# Altium PCB PCB1.PcbDoc (part 4 of 8) (continued)
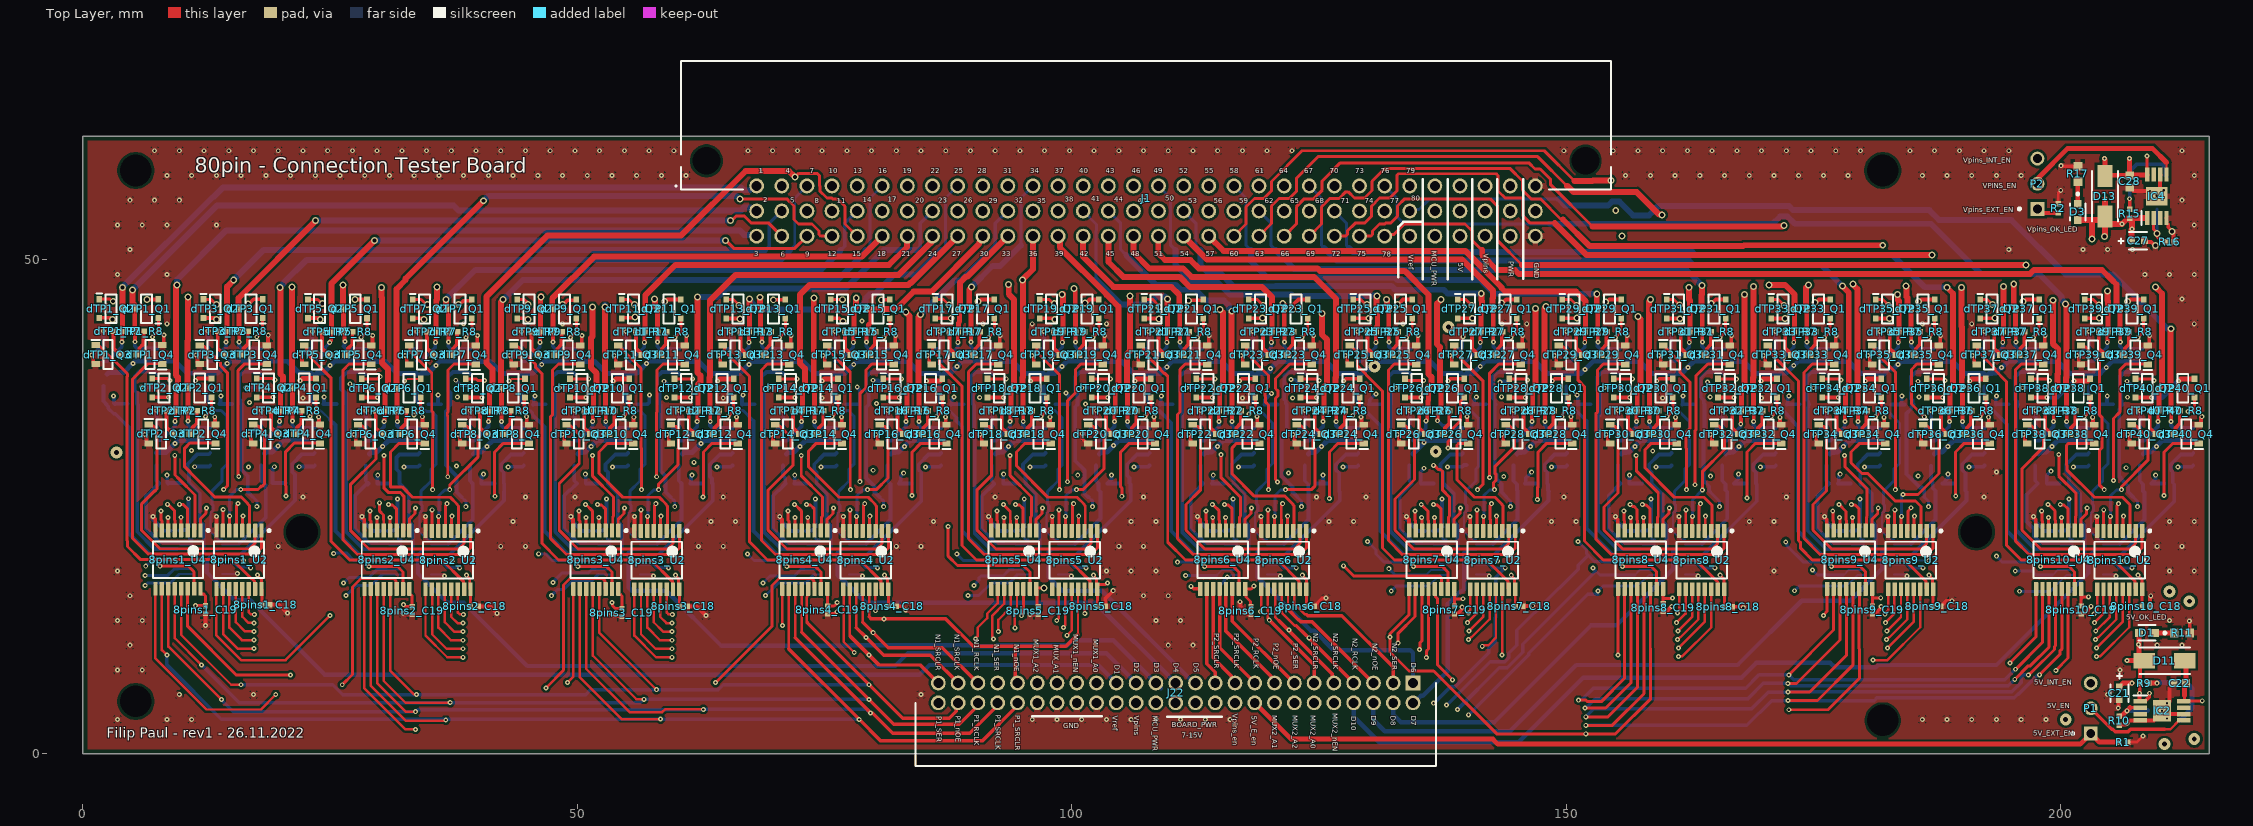
[diagram p0: Top Layer view]
## Nets (pads, with @x,y where several pads share a name; then routed paths per layer and width w, separated by ;. In a path a pad name is that pad's centre, name@x,y a point inside that pad or via, vN(x,y) a via of type N, cw(c..) or ccw(c..) an arc to the next point about the centre after c; other vN are vias at no path point) (continued)
  Layer 2 w0.3: v1(122.334,36.002) 123.269,36.937 v1(123.269,42.127)
  Layer 3 w0.3: v1(114.206,25.229) 115.651,26.674 118.035,26.674 121.693,30.333 121.693,35.403 122.293,36.002 v1(122.334,36.002)
NetdTP23_Q2_1: 8pins6_U4.4 dTP23_Q2.1 | length 27.4
  Top Layer w0.3: v1(115.556,23.921) 115.556,22.623 8pins6_U4.4@115.588,22.592 ; dTP23_Q2.1@117.883,45.953 118.761,45.953 v3(119.353,45.361)
  Layer 2 w0.3: v1(115.556,23.921) 115.595,23.959 115.595,24.143 120.829,29.378 120.829,38.707 120.838,38.716 120.838,44.063 120.228,44.674 120.04,44.674 v3(119.353,45.361)
NetdTP23_Q3_1: 8pins6_U2.4 dTP23_Q3.1 | length 21.1
  Top Layer w0.3: dTP23_Q3.1@117.521,41.303 117.666,41.159 117.666,40.685 117.879,40.471 117.879,40.291 119.885,38.285 119.885,37.105 119.521,36.741 119.521,36.199 119.6,36.119 119.6,35.57 119.885,35.285 v1(119.885,26.725) ; 8pins6_U2.4@121.759,22.563 121.795,22.599 121.795,24.012 v1(121.83,24.048)
  Layer 2 w0.3: v1(119.885,26.725) 119.885,25.523 120.061,25.347 120.105,25.347 121.404,24.048 v1(121.83,24.048)
NetdTP23_Q3_3: dTP23_Q3.3 dTP23_R7.2 | length 2.7
  Top Layer w0.381: dTP23_R7.2@119.319,42.727 119.319,41.005 dTP23_Q3.3@119.785,40.54 ; dTP23_Q3.3@119.827,40.445 dTP23_Q3.3@120.152,40.445
NetdTP23_Q4_1: 8pins6_U2.5 dTP23_Q4.1 | length 20.3
  Top Layer w0.3: v1(120.8,27.495) 120.8,27.549 120.6,27.749 120.6,35.97 120.829,36.199 120.829,36.741 120.6,36.969 120.6,37.983 122.044,39.427 dTP23_Q4.1@124.269,39.427 ; 8pins6_U2.5@121.109,22.563 121.184,22.638 121.184,23.713 121.176,23.721 121.176,25.112 121.32,25.255 v1(121.32,25.309)
  Layer 3 w0.3: v1(120.8,27.495) 120.825,27.47 120.825,25.804 v1(121.32,25.309)
NetdTP23_Q4_3: dTP23_Q4.3 dTP23_R8.2 | length 2.6
  Top Layer w0.381: dTP23_Q4.3@121.769,40.377 121.821,40.377 121.93,40.487 121.93,40.988 122.368,41.426 122.368,42.676 dTP23_R8.2@122.419,42.727
NetdTP24_IC1_1: 8pins6_U3.2 dTP24_IC1.1 dTP24_R5.2 | length 10.9
  Bottom Layer w0.2: 8pins6_U3.2@119.734,21.168 121.389,21.168 121.46,21.239
  Bottom Layer w0.381: 121.46,21.239 123.935,23.714 123.935,26.584 123.949,26.598 123.898,26.649 123.898,27.278 123.55,27.627 dTP24_IC1.1@123.55,29.16
NetdTP24_IC1_7: 8pins6_U3.4 dTP24_IC1.7 dTP24_R6.2 | length 16.2
  Bottom Layer w0.2: 8pins6_U3.4@119.734,20.168 121.608,20.168
  Bottom Layer w0.381: 121.608,20.168 127.085,25.645 127.085,26.508 127.048,26.545 127.048,27.278 127.033,27.294 127.033,28.412 126.712,28.732 126.712,29.308 127.7,30.295 128.84,30.295 dTP24_IC1.7@128.974,30.43
NetdTP24_Q1_1: 8pins6_U4.7 dTP24_Q1.1 | length 23.7
  Top Layer w0.3: v1(113.56,24.566) 113.567,24.56 113.567,23.635 113.638,23.564 8pins6_U4.7@113.638,22.592 ; v1(128.409,34.235) 129.102,34.927 129.102,35.102
  Top Layer w0.31: 129.102,35.102 dTP24_Q1.1@129.102,36.04
  Layer 2 w0.3: v1(121.895,28.407) 122.912,28.407 124.117,29.612 125.117,29.612 128.365,32.86 128.365,34.136 128.409,34.181 v1(128.409,34.235)
  Layer 3 w0.3: v1(113.56,24.566) 113.569,24.575 116.718,24.575 120.551,28.407 v1(121.895,28.407)
NetdTP24_Q2_1: 8pins6_U4.6 dTP24_Q2.1 | length 24.6
  Top Layer w0.3: v1(114.248,23.906) 114.268,23.886 114.268,22.612 8pins6_U4.6@114.288,22.592 ; dTP24_Q2.1@123.126,37.94 124.78,37.94 124.958,37.762 v1(125.012,37.762)
  Layer 2 w0.3: v1(114.248,23.906) 114.883,23.271 115.447,23.271 115.451,23.267 115.827,23.267 116.21,23.65 116.21,23.976 123.016,30.781 123.016,32.143 125.141,34.269 125.629,34.269 126.081,34.72 126.081,36.694 v1(125.012,37.762)
NetdTP24_Q3_1: 8pins6_U2.6 dTP24_Q3.1 | length 15.2
  Top Layer w0.3: 8pins6_U2.6@120.459,22.563 120.477,22.581 120.477,24.015 v1(120.494,24.033) ; v1(121.612,26.725) 124.216,26.725 124.574,27.083 124.574,30.823 124.374,31.023 124.374,32.003 123.212,33.165 122.912,33.165 dTP24_Q3.1@122.762,33.315
  Bottom Layer w0.3: v1(120.494,24.033) 120.533,24.071 120.533,26.128 121.109,26.705 121.592,26.705 v1(121.612,26.725)
NetdTP24_Q3_3: dTP24_Q3.3 dTP24_R7.2 | length 2.7
  Top Layer w0.381: dTP24_R7.2@124.562,34.715 124.562,32.992 dTP24_Q3.3@125.028,32.527 ; dTP24_Q3.3@125.069,32.432 dTP24_Q3.3@125.394,32.432
NetdTP24_Q4_1: 8pins6_U2.7 dTP24_Q4.1 | length 19
  Top Layer w0.3: 8pins6_U2.7@119.809,22.563 119.822,22.576 119.822,24.681 v1(119.834,24.693) ; v1(126.036,25.85) 126.047,25.861 126.047,30.55 126.912,31.415 dTP24_Q4.1@129.512,31.415
  Layer 3 w0.3: v1(119.834,24.693) 119.834,23.768 120.224,23.379 123.565,23.379 v1(126.036,25.85)
NetdTP24_Q4_3: dTP24_Q4.3 dTP24_R8.2 | length 2.6
  Top Layer w0.381: dTP24_Q4.3@127.012,32.365 127.063,32.365 127.173,32.474 127.173,32.975 127.611,33.413 127.611,34.663 dTP24_R8.2@127.662,34.715
NetdTP25_IC1_1: 8pins7_U3.13 dTP25_IC1.1 dTP25_R5.2 | length 23.3
  Bottom Layer w0.2: 133.564,20.172 133.792,20.172 133.796,20.168 136.524,20.168 136.528,20.172 8pins7_U3.13@137.859,20.172
  Bottom Layer w0.25: 133.564,20.172 133.568,20.168
  Bottom Layer w0.381: dTP25_IC1.1@128.874,37.172 128.874,35.639 dTP25_R5.2@129.136,35.377 ; dTP25_R5.2@129.138,35.353 129.372,35.119 129.372,34.917 129.601,34.688 129.712,34.688 130.586,33.814 131.184,33.216 131.184,22.552 133.564,20.172
NetdTP25_IC1_7: 8pins7_U3.14 dTP25_IC1.7 dTP25_R6.2 | length 24.7
  Bottom Layer w0.2: 136.298,20.713 136.343,20.668 8pins7_U3.14@137.863,20.668
  Bottom Layer w0.381: 132.234,32.006 132.234,22.5 134.022,20.713 136.298,20.713 ; 132.234,32.006 132.234,32.582 132.234,35.3 dTP25_R6.2@132.288,35.353 ; dTP25_R6.2@132.286,35.377 132.286,36.495 132.036,36.745 132.036,38.16 132.509,38.634 133.504,38.634 133.585,38.553 134.165,38.553 dTP25_IC1.7@134.3,38.418
NetdTP25_Q1_1: 8pins7_U4.1 dTP25_Q1.1 | length 35.9
  Top Layer w0.3: v1(133.836,42.127) 134.424,42.715 dTP25_Q1.1@134.424,44.077 ; 8pins7_U4.1@138.651,23.27 138.651,23.742 139.236,24.327 139.236,24.766 139.287,24.817 v1(139.287,24.871)
  Layer 2 w0.3: v1(133.836,42.127) 133.211,41.502 133.211,37.477 133.384,37.304 133.384,34.737 132.4,33.752 132.4,32.691 132.274,32.565 132.274,32.023 132.4,31.897 132.4,21.775 133.826,20.35 137.051,20.35 138.652,21.95 138.652,23.39 139.287,24.025 v1(139.287,24.871)
NetdTP25_Q2_1: 8pins7_U4.15 dTP25_Q2.1 | length 36.1
  Top Layer w0.3: dTP25_Q2.1@128.45,45.953 129.226,45.953 129.732,45.448 v3(129.84,45.448) ; v1(134.562,18.974) 137.445,18.974 138.017,18.402 8pins7_U4.15@138.017,16.692
  Layer 2 w0.3: v3(129.84,45.448) 130.719,44.569 130.898,44.569 131.7,43.768 131.7,42.216 131.405,41.921 131.405,41.38 131.7,41.084 131.7,21.332 133.876,19.156 134.326,19.156 134.508,18.974 v1(134.562,18.974)
NetdTP25_Q3_1: 8pins7_U2.15 dTP25_Q3.1 | length 36.8
  Top Layer w0.3: dTP25_Q3.1@128.088,41.303 128.17,41.303 128.863,40.611 128.863,39.272 129.739,38.395 129.739,38.356 131.405,36.69 131.405,20.84 132.617,19.628 141.965,19.628 144.113,17.479 144.113,16.738 8pins7_U2.15@144.188,16.663
NetdTP25_Q3_3: dTP25_Q3.3 dTP25_R7.2 | length 2.7
  Top Layer w0.381: dTP25_R7.2@129.886,42.727 129.886,41.005 dTP25_Q3.3@130.351,40.54 ; dTP25_Q3.3@130.393,40.445 dTP25_Q3.3@130.718,40.445
NetdTP25_Q4_1: 8pins7_U2.1 dTP25_Q4.1 | length 35.7
  Top Layer w0.3: dTP25_Q4.1@134.836,39.427 132.611,39.427 132.011,38.827 132.011,21.58 133.409,20.182 144.198,20.182 144.838,20.821 8pins7_U2.1@144.838,22.563
NetdTP25_Q4_3: dTP25_Q4.3 dTP25_R8.2 | length 2.6
  Top Layer w0.381: dTP25_Q4.3@132.336,40.377 132.387,40.377 132.496,40.487 132.496,40.988 132.935,41.426 132.935,42.676 dTP25_R8.2@132.986,42.727
NetdTP26_IC1_1: 8pins7_U3.15 dTP26_IC1.1 dTP26_R5.2 | length 12.4
  Bottom Layer w0.2: 135.268,21.348 135.358,21.257 136.524,21.257 136.613,21.168 8pins7_U3.15@137.863,21.168
  Bottom Layer w0.381: dTP26_IC1.1@134.116,29.16 134.116,27.627 134.378,27.365 134.378,27.339 133.724,26.684 133.724,26.674 133.156,26.107 133.156,22.772 134.58,21.348 135.268,21.348
NetdTP26_IC1_7: 8pins7_U3.12 dTP26_IC1.7 dTP26_R6.2 | length 13.9
  Bottom Layer w0.2: 8pins7_U3.12@137.863,19.668 137.913,19.718 138.483,19.718 139.007,20.242 139.007,20.248
  Bottom Layer w0.381: 139.007,20.248 139.007,23.094 138.592,23.509 138.592,26.354 137.69,27.256 137.615,27.256 137.528,27.342 137.528,28.482 137.278,28.732 137.278,29.308 138.266,30.295 139.406,30.295 dTP26_IC1.7@139.54,30.43
NetdTP26_Q1_1: 8pins7_U4.3 dTP26_Q1.1 | length 15.5
  Top Layer w0.3: v1(136.561,25.229) 136.599,25.191 136.954,25.191 137.339,24.806 8pins7_U4.3@137.339,22.511 ; v1(138.023,30.946) 138.061,30.984 138.061,31.601 138.386,31.926 138.386,32.781 139.305,33.701 139.305,33.735
  Top Layer w0.31: 139.305,33.735 139.305,35.677 139.513,35.885 139.536,35.885 139.668,36.018 dTP26_Q1.1@139.668,36.04
  Layer 2 w0.3: v1(136.561,25.229) 136.561,25.283 136.366,25.478 136.366,27.36 137.319,28.314 137.319,29.291 138.023,29.995 v1(138.023,30.946)
NetdTP26_Q2_1: 8pins7_U4.2 dTP26_Q2.1 | length 19.6
  Top Layer w0.3: dTP26_Q2.1@133.692,37.94 133.692,37.918 133.83,37.78 133.987,37.78 134.005,37.762 v1@135.671,37.762 ; v1(136.584,29.195) 136.638,29.195 137.053,28.78 137.288,28.78 137.5,28.568 137.5,26.663 138.169,25.994 138.169,24.044 138.092,23.967 138.092,23.318 138.092,22.667 8pins7_U4.2@138.017,22.592
  Layer 2 w0.3: v1(135.578,37.762) 134.9,37.084 134.9,36.563 134.658,36.322 134.658,35.78 134.9,35.539 134.9,30.395 135.746,29.549 135.871,29.549 136.209,29.21 136.569,29.21 v1(136.584,29.195)
NetdTP26_Q3_1: 8pins7_U2.2 dTP26_Q3.1 | length 26
  Top Layer w0.3: dTP26_Q3.1@133.328,33.315 133.478,33.165 133.778,33.165 134.655,32.288 134.655,27.75 132.683,25.777 132.683,22.635 134.582,20.736 143.635,20.736 144.183,21.284 144.183,22.558 8pins7_U2.2@144.188,22.563
NetdTP26_Q3_3: dTP26_Q3.3 dTP26_R7.2 | length 2.7
  Top Layer w0.381: dTP26_R7.2@135.128,34.715 135.128,32.992 dTP26_Q3.3@135.594,32.527 ; dTP26_Q3.3@135.636,32.432 dTP26_Q3.3@135.961,32.432
NetdTP26_Q4_1: 8pins7_U2.3 dTP26_Q4.1 | length 13.1
  Top Layer w0.3: dTP26_Q4.1@140.078,31.415 139.115,31.415 138.94,31.239 138.94,27.73 140.706,25.963 142.792,25.963 143.478,25.277 143.478,25.223 143.613,25.088 143.613,22.638 8pins7_U2.3@143.538,22.563
NetdTP26_Q4_3: dTP26_Q4.3 dTP26_R8.2 | length 2.6
  Top Layer w0.381: dTP26_Q4.3@137.578,32.365 137.63,32.365 137.739,32.474 137.739,32.975 138.177,33.413 138.177,34.663 dTP26_R8.2@138.228,34.715
NetdTP27_IC1_1: 8pins7_U3.1 dTP27_IC1.1 dTP27_R5.2 | length 17.9
  Bottom Layer w0.2: 139.836,24.495 139.8,24.495 139.673,24.369 139.673,22.483 140.488,21.668 8pins7_U3.1@140.863,21.668
  Bottom Layer w0.3: dTP27_R5.2@139.704,35.353 139.829,35.228 139.829,35.083 140.184,34.728 140.329,34.728 141.1,33.957 141.1,32.89 141.378,32.612 141.378,32.07 141.1,31.792 141.1,29.051 140.859,28.81 140.859,27.602 139.818,26.56 139.818,25.265 139.941,25.142 139.941,24.6 139.836,24.495
  Bottom Layer w0.381: dTP27_IC1.1@139.44,37.172 139.44,35.639 dTP27_R5.2@139.702,35.377
NetdTP27_IC1_7: 8pins7_U3.5 dTP27_IC1.7 dTP27_R6.2 | length 24.8
  Layer 2 w0.3: v1(143.031,19.528) 143.031,21.581 144.362,22.912 v1(144.362,25.005)
  Bottom Layer w0.2: 8pins7_U3.5@140.863,19.668 140.909,19.714 142.421,19.714 142.511,19.624 142.763,19.624 142.802,19.585 142.973,19.585 v1(143.031,19.528)
  Bottom Layer w0.3: 143.935,25.989 144.362,25.562 v1(144.362,25.005)
  Bottom Layer w0.381: 143.935,25.989 143.435,26.488 143.435,27.325 142.948,27.812 142.948,28.253 142.775,28.427 142.775,35.274 dTP27_R6.2@142.854,35.353 142.769,35.438 142.769,35.809 142.602,35.976 142.602,38.16 143.075,38.634 144.071,38.634 144.152,38.553 144.731,38.553 dTP27_IC1.7@144.866,38.418
NetdTP27_Q1_1: 8pins7_U4.5 dTP27_Q1.1 | length 27.2
  Top Layer w0.3: v1(135.335,25.229) 136.031,24.532 136.031,23.65 136.067,23.615 8pins7_U4.5@136.067,22.592 ; v1(144.402,42.127) 144.99,42.715 dTP27_Q1.1@144.99,44.077
  Layer 2 w0.3: v1(143.442,36.119) 144.402,37.08 v1(144.402,42.127)
  Layer 3 w0.3: v1(135.335,25.229) 136.78,26.674 139.164,26.674 142.2,29.711 142.2,34.823 143.442,36.065 v1(143.442,36.119)
NetdTP27_Q2_1: 8pins7_U4.4 dTP27_Q2.1 | length 27.4
  Top Layer w0.3: v1(136.685,23.921) 136.685,22.623 8pins7_U4.4@136.717,22.592 ; dTP27_Q2.1@139.016,45.953 139.839,45.953 v3(140.437,45.355)
  Layer 2 w0.3: v1(136.685,23.921) 136.724,23.959 136.724,24.143 141.911,29.331 141.911,30.206 141.971,30.265 141.971,44.063 141.363,44.671 141.121,44.671 v3(140.437,45.355)
NetdTP27_Q3_1: 8pins7_U2.4 dTP27_Q3.1 | length 21.3
  Top Layer w0.3: dTP27_Q3.1@138.654,41.303 138.755,41.203 138.755,40.729 139.012,40.471 139.012,40.283 141.6,37.695 141.6,27.311 v1(141.014,26.725) ; 8pins7_U2.4@142.888,22.563 142.924,22.599 142.924,24.012 v1(142.959,24.048)
  Layer 2 w0.3: v1(141.014,26.725) 141.014,25.523 141.19,25.347 141.234,25.347 142.533,24.048 v1(142.959,24.048)
NetdTP27_Q3_3: dTP27_Q3.3 dTP27_R7.2 | length 2.7
  Top Layer w0.381: dTP27_R7.2@140.452,42.727 140.452,41.005 dTP27_Q3.3@140.918,40.54 ; dTP27_Q3.3@140.96,40.445 dTP27_Q3.3@141.285,40.445
NetdTP27_Q4_1: 8pins7_U2.5 dTP27_Q4.1 | length 19.9
  Top Layer w0.3: 8pins7_U2.5@142.238,22.563 142.313,22.638 142.313,23.713 142.305,23.721 142.305,25.112 142.449,25.255 v1(142.449,25.309) ; v1(142.254,27.965) 142.254,38.504 143.177,39.427 dTP27_Q4.1@145.402,39.427
  Layer 3 w0.3: v1(142.254,27.965) 142.254,27.163 141.954,26.863 141.954,25.804 v1(142.449,25.309)
NetdTP27_Q4_3: dTP27_Q4.3 dTP27_R8.2 | length 2.6
  Top Layer w0.381: dTP27_Q4.3@142.902,40.377 142.953,40.377 143.063,40.487 143.063,40.988 143.501,41.426 143.501,42.676 dTP27_R8.2@143.552,42.727
NetdTP28_IC1_1: 8pins7_U3.2 dTP28_IC1.1 dTP28_R5.2 | length 10.9
  Bottom Layer w0.2: 8pins7_U3.2@140.863,21.168 142.518,21.168 142.589,21.239
  Bottom Layer w0.381: 142.589,21.239 145.064,23.714 145.064,26.584 145.078,26.598 145.006,26.67 145.006,27.278 144.657,27.627 dTP28_IC1.1@144.657,29.16
NetdTP28_IC1_7: 8pins7_U3.4 dTP28_IC1.7 dTP28_R6.2 | length 16.2
  Bottom Layer w0.2: 8pins7_U3.4@140.863,20.168 142.737,20.168
  Bottom Layer w0.381: 142.737,20.168 148.214,25.645 148.214,26.508 148.253,26.547 148.156,26.645 148.156,27.256 dTP28_R6.2@148.071,27.34 ; dTP28_R6.2@148.069,27.365 148.069,28.482 147.819,28.732 147.819,29.308 148.807,30.295 149.947,30.295 dTP28_IC1.7@150.081,30.43
NetdTP28_Q1_1: 8pins7_U4.7 dTP28_Q1.1 | length 24.8
  Top Layer w0.3: v1(134.689,24.566) 134.696,24.56 134.696,23.635 134.767,23.564 8pins7_U4.7@134.767,22.592 ; v1(149.557,34.105) 149.557,34.159 149.658,34.26 149.658,34.46 150.209,35.011
  Top Layer w0.31: 150.209,35.011 dTP28_Q1.1@150.209,36.04
  Layer 2 w0.3: v1(143.674,28.069) 144.707,29.103 144.707,29.191 145.703,30.186 147.716,30.186 149.557,32.027 v1(149.557,34.105)
  Layer 3 w0.3: v1(134.689,24.566) 134.698,24.575 137.938,24.575 141.983,28.619 143.123,28.619 v1(143.674,28.069)
NetdTP28_Q2_1: 8pins7_U4.6 dTP28_Q2.1 | length 24.6
  Top Layer w0.3: v1(135.377,23.906) 135.397,23.886 135.397,22.612 8pins7_U4.6@135.417,22.592 ; dTP28_Q2.1@144.233,37.94 145.905,37.94 146.032,37.813 v1(146.086,37.813)
  Layer 2 w0.3: v1(135.377,23.906) 136.042,23.241 136.931,23.241 137.339,23.65 137.339,23.976 142.465,29.102 142.465,29.976 145.865,33.376 145.865,33.886 146.249,34.269 146.758,34.269 147.188,34.699 147.188,36.711 v1(146.086,37.813)
NetdTP28_Q3_1: 8pins7_U2.6 dTP28_Q3.1 | length 13.1
  Top Layer w0.3: 8pins7_U2.6@141.588,22.563 141.606,22.581 141.606,24.015 v1(141.623,24.033) ; v1(142.741,26.725) 142.703,26.763 142.703,26.905 142.643,26.965 142.643,27.429 142.908,27.695 142.908,28.236 142.808,28.336 142.808,29.107 144.782,31.081 144.782,32.702 144.319,33.165 144.019,33.165 dTP28_Q3.1@143.869,33.315
  Bottom Layer w0.3: v1(141.623,24.033) 141.662,24.071 141.662,26.128 142.238,26.705 142.721,26.705 v1(142.741,26.725)
NetdTP28_Q3_3: dTP28_Q3.3 dTP28_R7.2 | length 2.7
  Top Layer w0.381: dTP28_R7.2@145.669,34.715 145.669,32.992 dTP28_Q3.3@146.135,32.527 ; dTP28_Q3.3@146.177,32.432 dTP28_Q3.3@146.502,32.432
NetdTP28_Q4_1: 8pins7_U2.7 dTP28_Q4.1 | length 19
  Top Layer w0.3: 8pins7_U2.7@140.938,22.563 140.951,22.576 140.951,24.681 v1(140.963,24.693) ; v1(147.068,25.748) 147.068,26.928 147.154,27.015 147.154,30.55 148.019,31.415 dTP28_Q4.1@150.619,31.415
  Layer 3 w0.3: v1(140.963,24.693) 140.963,23.768 141.352,23.379 144.698,23.379 v1(147.068,25.748)
NetdTP28_Q4_3: dTP28_Q4.3 dTP28_R8.2 | length 2.6
  Top Layer w0.381: dTP28_Q4.3@148.119,32.365 148.171,32.365 148.28,32.474 148.28,32.975 148.718,33.413 148.718,34.663 dTP28_R8.2@148.769,34.715
NetdTP29_IC1_1: 8pins8_U3.13 dTP29_IC1.1 dTP29_R5.2 | length 23.4
  Bottom Layer w0.2: 154.693,20.172 154.921,20.172 154.925,20.168 157.653,20.168 157.657,20.172 8pins8_U3.13@158.988,20.172
  Bottom Layer w0.25: 154.693,20.172 154.697,20.168
  Bottom Layer w0.32: dTP29_R5.2@150.27,35.353 150.535,35.088 150.535,35.051 150.535,34.929 150.746,34.718 151.026,34.718 152.079,33.665
  Bottom Layer w0.381: dTP29_IC1.1@150.007,37.172 150.007,35.639 dTP29_R5.2@150.269,35.377 ; 152.079,33.665 152.079,22.785 154.693,20.172
NetdTP29_IC1_7: 8pins8_U3.14 dTP29_IC1.7 dTP29_R6.2 | length 24.8
  Bottom Layer w0.2: 157.427,20.713 157.472,20.668 8pins8_U3.14@158.992,20.668
  Bottom Layer w0.381: dTP29_R6.2@153.42,35.353 153.42,34.295 153.24,34.114 153.24,22.623 155.151,20.713 157.427,20.713 ; dTP29_R6.2@153.42,35.376 153.42,36.493 153.169,36.745 153.169,38.159 153.644,38.634 154.637,38.634 154.718,38.553 155.298,38.553 dTP29_IC1.7@155.432,38.418
NetdTP29_Q1_1: 8pins8_U4.1 dTP29_Q1.1 | length 35.9
  Top Layer w0.3: v1(154.969,42.127) 155.557,42.715 dTP29_Q1.1@155.557,44.077 ; 8pins8_U4.1@159.78,23.27 159.78,23.742 160.365,24.327 160.365,24.766 160.416,24.817 v1(160.416,24.871)
  Layer 2 w0.3: v1(154.969,42.127) 154.517,41.676 154.517,36.055 154.103,35.641 154.103,34.327 153.253,33.476 153.253,22.052 154.955,20.35 158.18,20.35 159.781,21.95 159.781,23.39 160.416,24.025 v1(160.416,24.871)
NetdTP29_Q2_1: 8pins8_U4.15 dTP29_Q2.1 | length 36.2
  Top Layer w0.3: dTP29_Q2.1@149.582,45.953 150.464,45.953 v3(151.053,45.365) ; v1(155.691,18.974) 158.574,18.974 159.146,18.402 8pins8_U4.15@159.146,16.692
  Layer 2 w0.3: v3(151.053,45.365) 151.873,44.544 152.056,44.544 152.8,43.8 152.8,42.184 152.538,41.921 152.538,37.833 152.364,37.659 152.364,21.798 155.005,19.156 155.455,19.156 155.637,18.974 v1(155.691,18.974)
NetdTP29_Q3_1: 8pins8_U2.15 dTP29_Q3.1 | length 37
  Top Layer w0.3: dTP29_Q3.1@149.219,41.327 149.369,41.177 149.669,41.177 151.2,39.646 151.2,37.795 151.843,37.152 151.843,21.531 153.746,19.628 163.094,19.628 165.317,17.404 8pins8_U2.15@165.317,16.663
NetdTP29_Q3_3: dTP29_Q3.3 dTP29_R7.2 | length 2.7
  Top Layer w0.381: dTP29_R7.2@151.019,42.727 151.019,41.005 dTP29_Q3.3@151.484,40.54 ; dTP29_Q3.3@151.526,40.445 dTP29_Q3.3@151.851,40.445
NetdTP29_Q4_1: 8pins8_U2.1 dTP29_Q4.1 | length 35.9
  Top Layer w0.3: dTP29_Q4.1@155.969,39.427 153.744,39.427 153.144,38.827 153.144,34.565 152.986,34.407 152.986,21.734 154.538,20.182 165.327,20.182 165.967,20.821 8pins8_U2.1@165.967,22.563
NetdTP29_Q4_3: dTP29_Q4.3 dTP29_R8.2 | length 2.6
  Top Layer w0.381: dTP29_Q4.3@153.469,40.377 153.52,40.377 153.629,40.487 153.629,40.988 154.067,41.426 154.067,42.676 dTP29_R8.2@154.119,42.727
NetdTP30_IC1_1: 8pins8_U3.15 dTP30_IC1.1 dTP30_R5.2 | length 12.4
  Bottom Layer w0.2: 156.397,21.348 156.487,21.257 157.653,21.257 157.742,21.168 8pins8_U3.15@158.992,21.168
  Bottom Layer w0.381: dTP30_IC1.1@155.224,29.16 155.224,27.627 155.486,27.365 dTP30_R5.2@155.486,27.339 ; dTP30_R5.2@155.488,27.34 154.285,26.138 154.285,22.772 155.709,21.348 156.397,21.348
NetdTP30_IC1_7: 8pins8_U3.12 dTP30_IC1.7 dTP30_R6.2 | length 13.9
  Bottom Layer w0.2: 8pins8_U3.12@158.992,19.668 159.042,19.718 159.612,19.718 160.136,20.242 160.136,20.248
  Bottom Layer w0.381: 160.136,20.248 160.136,23.094 159.721,23.509 159.721,26.257 159.137,26.841 158.636,27.342 158.636,28.482 158.386,28.732 158.386,29.308 159.373,30.295 160.513,30.295 dTP30_IC1.7@160.648,30.43
NetdTP30_Q1_1: 8pins8_U4.3 dTP30_Q1.1 | length 15.5
  Top Layer w0.3: v1(157.689,25.229) 157.728,25.191 158.083,25.191 158.468,24.806 8pins8_U4.3@158.468,22.511 ; v1(160.186,34.115) 160.774,34.703
  Top Layer w0.31: 160.774,34.703 160.776,34.704 dTP30_Q1.1@160.776,36.04
  Layer 2 w0.3: v1(157.689,25.229) 157.689,25.283 157.495,25.478 157.495,26.598 157.469,26.624 157.469,29.373 v1(158.745,30.649) 159.936,31.84 159.936,33.832 160.186,34.082 v1(160.186,34.115)
NetdTP30_Q2_1: 8pins8_U4.2 dTP30_Q2.1 | length 18.9
  Top Layer w0.3: dTP30_Q2.1@154.8,37.94 v1(156.686,37.94) ; v1(157.067,30.176) 157.086,30.157 157.086,28.633 159.298,26.421 159.298,24.044 159.221,23.967 159.221,23.318 159.221,22.667 8pins8_U4.2@159.146,22.592
  Layer 2 w0.3: v1(156.686,37.94) 157.754,36.872 157.754,30.865 157.067,30.178 v1(157.067,30.176)
NetdTP30_Q3_1: 8pins8_U2.2 dTP30_Q3.1 | length 25.6
  Top Layer w0.3: dTP30_Q3.1@154.436,33.315 154.61,33.14 154.91,33.14 155.224,32.827 155.224,26.386 153.812,24.974 153.812,22.635 155.711,20.736 164.764,20.736 165.312,21.284 165.312,22.558 8pins8_U2.2@165.317,22.563
NetdTP30_Q3_3: dTP30_Q3.3 dTP30_R7.2 | length 2.7
  Top Layer w0.381: dTP30_R7.2@156.236,34.715 156.236,32.992 dTP30_Q3.3@156.701,32.527 ; dTP30_Q3.3@156.743,32.432 dTP30_Q3.3@157.068,32.432
NetdTP30_Q4_1: 8pins8_U2.3 dTP30_Q4.1 | length 16.3
  Top Layer w0.3: dTP30_Q4.1@161.186,31.415 158.586,31.415 157.949,30.778 157.949,28.939 160.924,25.963 163.932,25.963 164.742,25.153 164.742,22.638 8pins8_U2.3@164.667,22.563
NetdTP30_Q4_3: dTP30_Q4.3 dTP30_R8.2 | length 2.6
  Top Layer w0.381: dTP30_Q4.3@158.686,32.365 158.737,32.365 158.846,32.474 158.846,32.975 159.285,33.413 159.285,34.663 dTP30_R8.2@159.336,34.715
NetdTP31_IC1_1: 8pins8_U3.1 dTP31_IC1.1 dTP31_R5.2 | length 17.8
  Bottom Layer w0.2: 160.965,24.495 160.929,24.495 160.802,24.369 160.802,22.483 161.617,21.668 8pins8_U3.1@161.992,21.668
  Bottom Layer w0.3: dTP31_R5.2@160.835,35.377 160.835,35.355 dTP31_R5.2@160.837,35.353 161.112,35.078 161.112,34.933 162.27,33.775 162.297,33.775 162.473,33.599 162.473,29.295 161.988,28.81 161.988,27.602 160.947,26.56 160.947,25.265 161.07,25.142 161.07,24.6 160.965,24.495
  Bottom Layer w0.381: dTP31_IC1.1@160.573,37.172 160.573,35.639 dTP31_R5.2@160.835,35.377
NetdTP31_IC1_7: 8pins8_U3.5 dTP31_IC1.7 dTP31_R6.2 | length 24.9
  Layer 2 w0.3: v1(164.16,19.528) 164.16,21.581 165.491,22.912 v1(165.491,25.005)
  Bottom Layer w0.2: 8pins8_U3.5@161.992,19.668 163.596,19.668 163.64,19.624 163.892,19.624 163.931,19.585 164.102,19.585 v1(164.16,19.528)
  Bottom Layer w0.3: 164.564,26.488 165.491,25.562 v1(165.491,25.005)
  Bottom Layer w0.381: 164.564,26.488 164.449,26.604 164.449,27.076 163.882,27.643 163.882,32.582 163.987,32.687 dTP31_R6.2@163.987,35.353 163.902,35.438 163.902,35.78 163.6,36.082 163.6,38.039 164.194,38.634 165.204,38.634 165.284,38.553 165.864,38.553 dTP31_IC1.7@165.999,38.418
NetdTP31_Q1_1: 8pins8_U4.5 dTP31_Q1.1 | length 27.3
  Top Layer w0.3: v1(156.464,25.229) 156.518,25.229 156.698,25.049 156.835,25.049 157.16,24.723 157.16,23.65 157.196,23.615 8pins8_U4.5@157.196,22.592 ; v1(165.535,42.127) 166.123,42.715 dTP31_Q1.1@166.123,44.077
  Layer 2 w0.3: v1(164.549,36.115) 165.535,37.102 v1(165.535,42.127)
  Layer 3 w0.3: v1(156.464,25.229) 157.909,26.674 160.292,26.674 163.882,30.264 163.882,35.41 164.549,36.077 v1(164.549,36.115)
NetdTP31_Q2_1: 8pins8_U4.4 dTP31_Q2.1 | length 27.5
  Top Layer w0.3: v1(157.814,23.921) 157.814,22.623 8pins8_U4.4@157.846,22.592 ; dTP31_Q2.1@160.149,45.953 160.886,45.953 161.441,45.399 v3(161.441,45.395)
  Layer 2 w0.3: v1(157.814,23.921) 157.853,23.959 157.853,24.143 163.104,29.395 163.104,41.921 163.2,42.017 163.2,43.967 162.524,44.643 162.257,44.643 161.504,45.395 v3(161.441,45.395)
NetdTP31_Q3_1: 8pins8_U2.4 dTP31_Q3.1 | length 21.2
  Top Layer w0.3: dTP31_Q3.1@159.785,41.327 159.888,41.327 160.062,41.153 160.062,41.051 161.5,39.613 161.5,38.595 162.5,37.595 162.5,32.94 162.101,32.541 162.101,30.928 162.143,30.887 v1(162.143,26.725) ; 8pins8_U2.4@164.017,22.563 164.053,22.599 164.053,24.012 v1(164.088,24.048)
  Layer 2 w0.3: v1(162.143,26.725) 162.143,25.523 162.319,25.347 162.363,25.347 163.662,24.048 v1(164.088,24.048)
NetdTP31_Q3_3: dTP31_Q3.3 dTP31_R7.2 | length 2.7
  Top Layer w0.381: dTP31_R7.2@161.585,42.727 161.585,41.005 dTP31_Q3.3@162.051,40.54 ; dTP31_Q3.3@162.092,40.445 dTP31_Q3.3@162.417,40.445
NetdTP31_Q4_1: 8pins8_U2.5 dTP31_Q4.1 | length 20
  Top Layer w0.3: v1(163.001,27.229) 163.001,32.657 163.1,32.756 163.1,38.217 164.31,39.427 dTP31_Q4.1@166.535,39.427 ; 8pins8_U2.5@163.367,22.563 163.442,22.638 163.442,23.713 163.434,23.721 163.434,25.112 163.578,25.255 v1(163.578,25.309)
  Layer 3 w0.3: v1(163.001,27.229) 163.001,25.886 v1(163.578,25.309)
NetdTP31_Q4_3: dTP31_Q4.3 dTP31_R8.2 | length 2.6
  Top Layer w0.381: dTP31_Q4.3@164.035,40.377 164.086,40.377 164.196,40.487 164.196,40.988 164.634,41.426 164.634,42.676 dTP31_R8.2@164.685,42.727
NetdTP32_IC1_1: 8pins8_U3.2 dTP32_IC1.1 dTP32_R5.2 | length 10.9
  Bottom Layer w0.2: 8pins8_U3.2@161.992,21.168 163.647,21.168 163.718,21.239
  Bottom Layer w0.381: 163.718,21.239 166.27,23.791 166.27,26.507 166.113,26.664 166.113,27.256 dTP32_R5.2@166.029,27.34 ; dTP32_IC1.1@165.765,29.16 165.765,27.627 dTP32_R5.2@166.027,27.365
NetdTP32_IC1_7: 8pins8_U3.4 dTP32_IC1.7 dTP32_R6.2 | length 16.1
  Bottom Layer w0.2: 8pins8_U3.4@161.992,20.168 163.866,20.168
  Bottom Layer w0.381: 163.866,20.168 169.263,25.565 169.263,27.256 dTP32_R6.2@169.179,27.34 ; dTP32_R6.2@169.177,27.365 169.177,28.482 168.927,28.732 168.927,29.308 169.914,30.295 171.054,30.295 dTP32_IC1.7@171.189,30.43
NetdTP32_Q1_1: 8pins8_U4.7 dTP32_Q1.1 | length 24.2
  Top Layer w0.3: v1(155.818,24.566) 155.825,24.56 155.825,23.635 155.896,23.564 8pins8_U4.7@155.896,22.592 ; v1(170.727,34.115) 171.315,34.703
  Top Layer w0.31: 171.315,34.703 171.317,34.704 dTP32_Q1.1@171.317,36.04
  Layer 2 w0.3: v1(164.576,28.094) 166.274,28.094 168.339,30.159 168.796,30.159 170.477,31.84 170.477,33.832 170.727,34.082 v1(170.727,34.115)
  Layer 3 w0.3: v1(155.818,24.566) 155.827,24.575 159.067,24.575 162.586,28.094 v1(164.576,28.094)
NetdTP32_Q2_1: 8pins8_U4.6 dTP32_Q2.1 | length 24.6
  Top Layer w0.3: v1(156.506,23.906) 156.526,23.886 156.526,22.612 8pins8_U4.6@156.546,22.592 ; dTP32_Q2.1@165.341,37.94 165.361,37.92 167.207,37.92 v1(167.227,37.9)
  Layer 2 w0.3: v1(156.506,23.906) 157.171,23.241 158.06,23.241 158.468,23.65 158.468,23.976 163.658,29.165 163.658,30.316 167.371,34.029 167.647,34.029 168.295,34.677 168.295,36.832 v1(167.227,37.9)
NetdTP32_Q3_1: 8pins8_U2.6 dTP32_Q3.1 | length 12.7
  Top Layer w0.3: 8pins8_U2.6@162.717,22.563 162.735,22.581 162.735,24.015 v1(162.752,24.033) ; v1(163.754,26.692) 163.754,28.549 165.991,30.786 165.991,32.601 165.427,33.165 165.127,33.165 dTP32_Q3.1@164.977,33.315
  Bottom Layer w0.3: v1(162.752,24.033) 162.752,25.69 v1(163.754,26.692)